# Altium PCB Copy of RaspberryHatBoard1.PcbDoc (part 1 of 3) (continued)
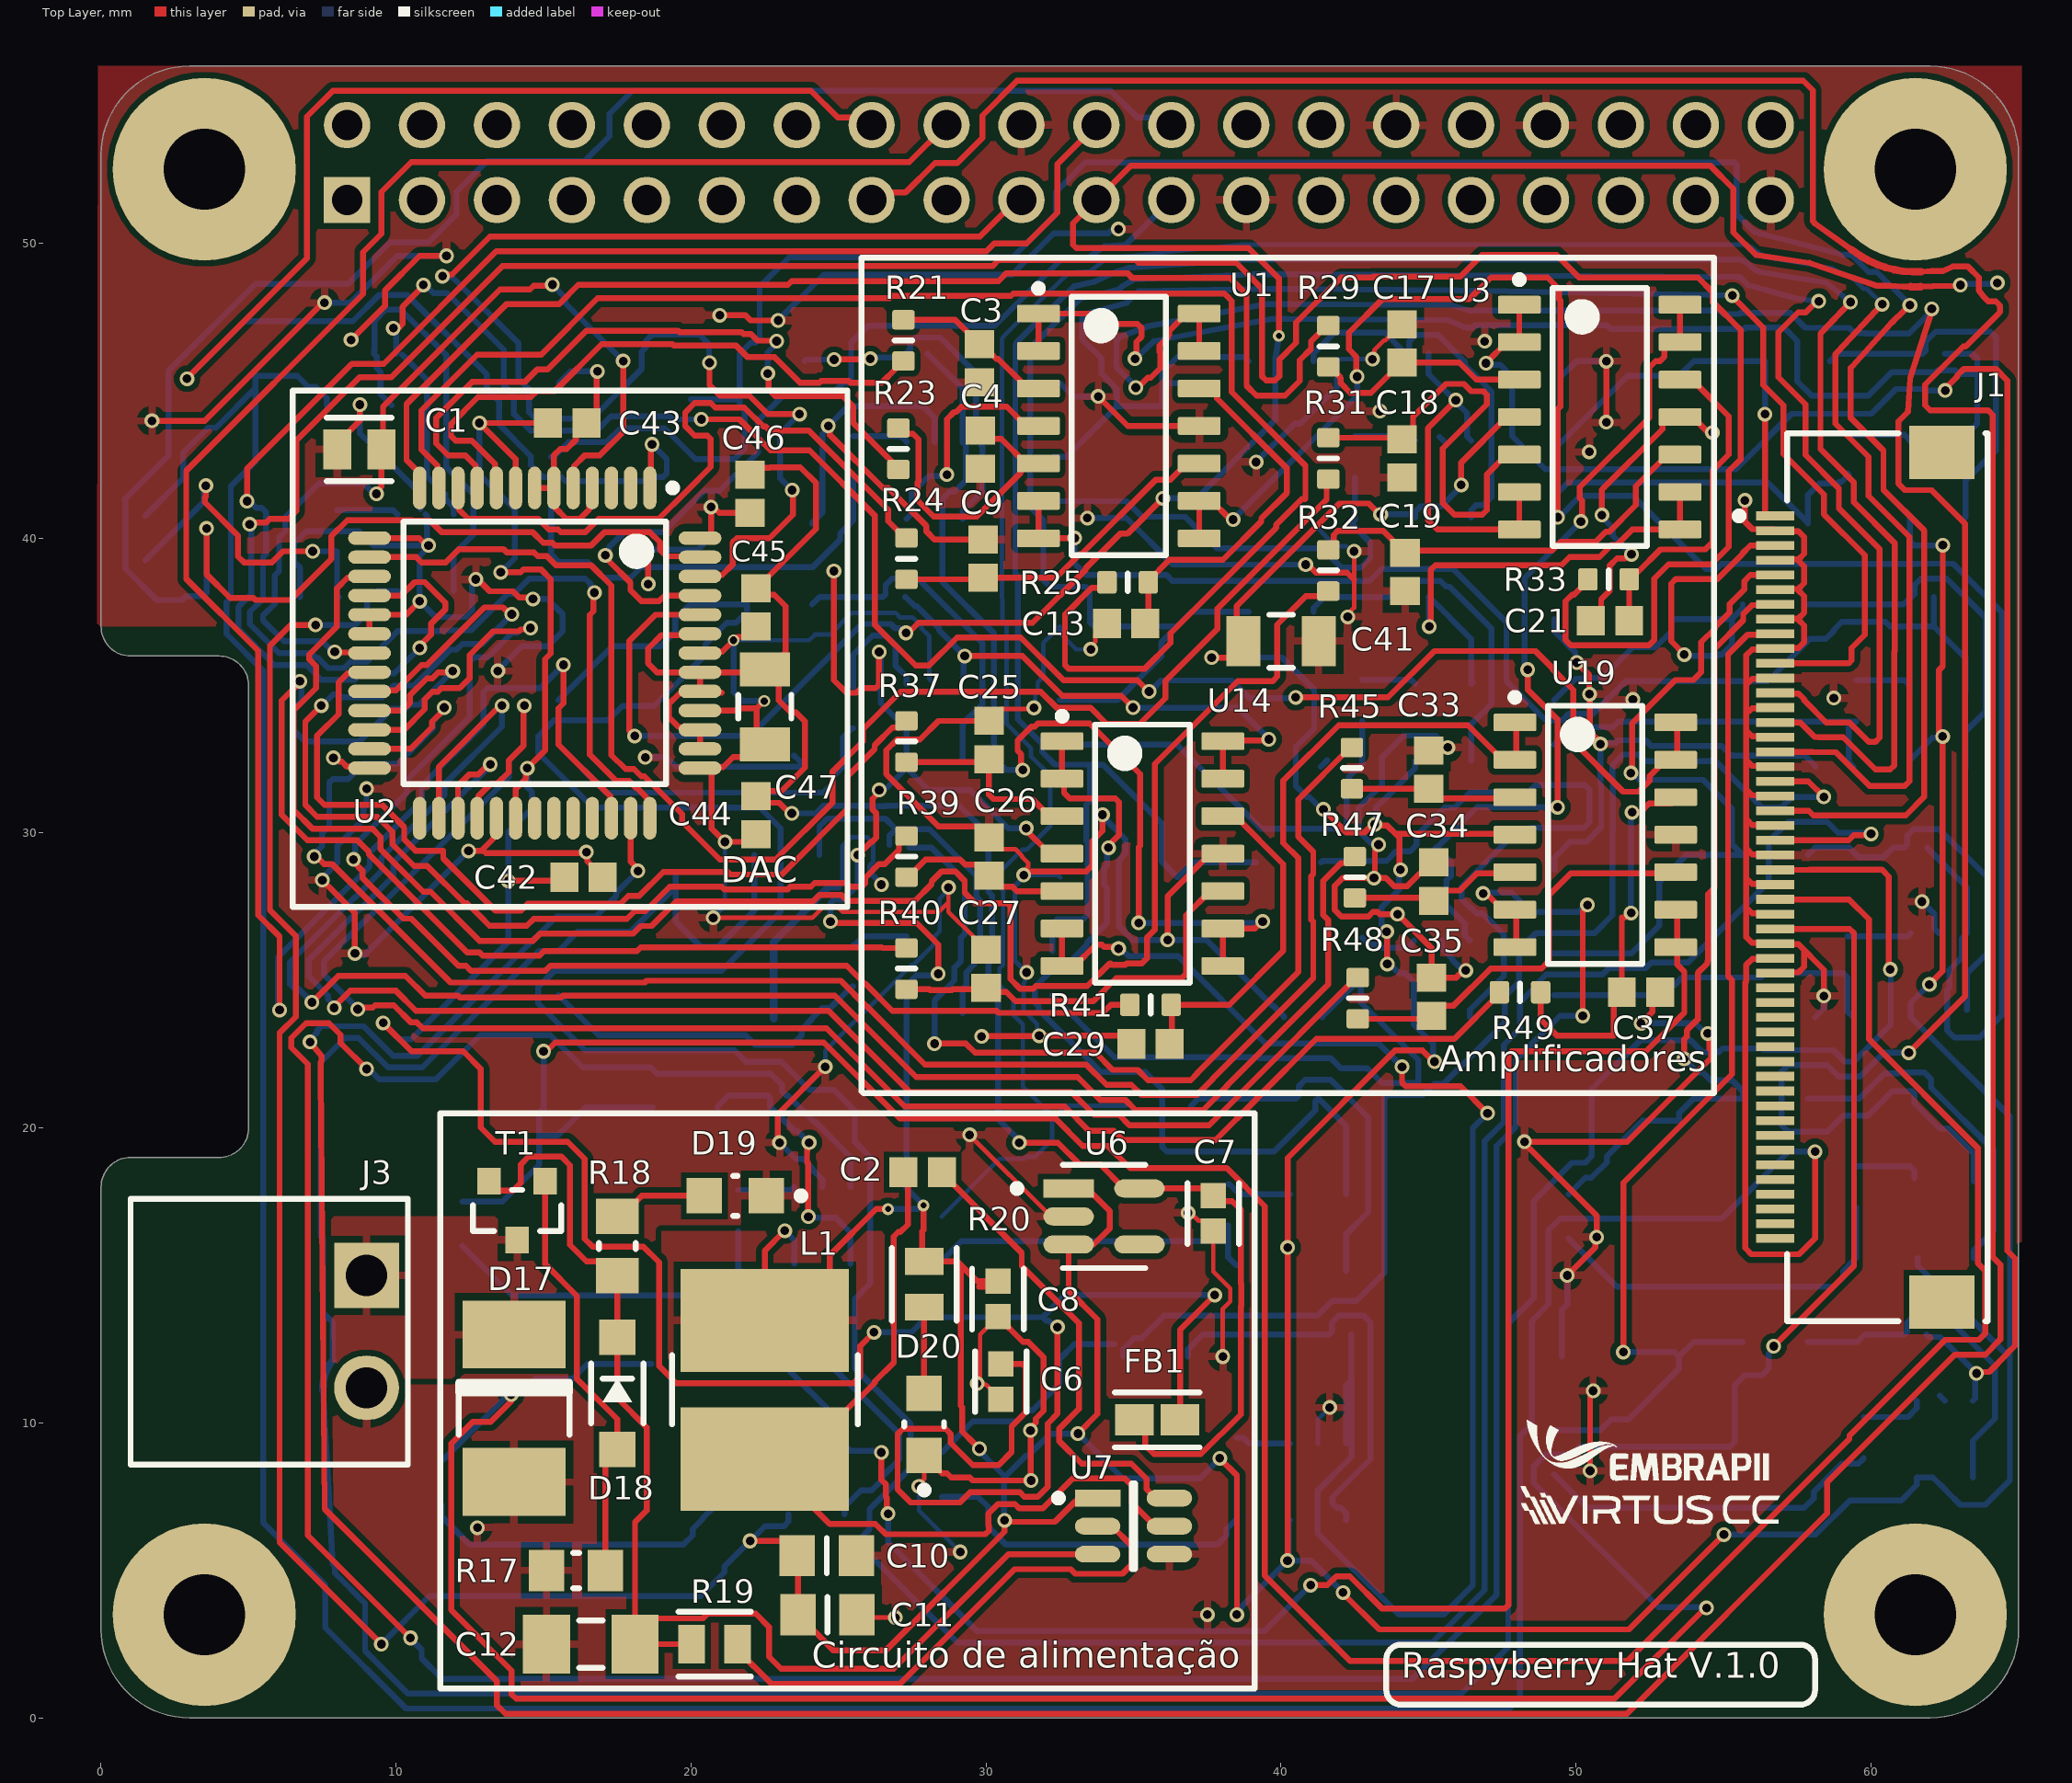
[diagram p0: Top Layer view]
## Components (designator, comment, footprint, x,y, rotation, side; value= is the part's Value field where it differs from the comment) (continued)
R18 "RC0805FR-071KL" RESC2013X60X35ML10T20 17.5,16 r270 top
R19 "100k" FP-CRGCQ0805-IPC_C 20.8,2.5 r180 top value=100KΩ
R20 "470R" FP-CRGCQ0805-IPC_C 27.9,14.7 r90 top value=470Ω
R21 "Resistor 10k +/-1% 0603 100 mW" RESC0603(1608)_L 27.2,46.7 r270 top value=10k
R22 "Resistor 1k +/-1% 0603 100 mW" RESC0603(1608)_L 59.25,42.8 r90 bottom value=1k
R23 "Resistor 10k +/-1% 0603 100 mW" RESC0603(1608)_L 27.025,43.025 r90 top value=10k
R24 "Resistor 10k +/-1% 0603 100 mW" RESC0603(1608)_L 27.3,39.3 r270 top value=10k
R25 "Resistor 10k +/-1% 0603 100 mW" RESC0603(1608)_L 34.8,38.5 r0 top value=10k
R26 "Resistor 1k +/-1% 0603 100 mW" RESC0603(1608)_L 59.5,34.48 r270 bottom value=1k
R27 "Resistor 1k +/-1% 0603 100 mW" RESC0603(1608)_L 59.2,25.8 r270 bottom value=1k
R28 "Resistor 1k +/-1% 0603 100 mW" RESC0603(1608)_L 59.5,18 r270 bottom value=1k
R29 "Resistor 10k +/-1% 0603 100 mW" RESC0603(1608)_L 41.6,46.5 r270 top value=10k
R30 "Resistor 1k +/-1% 0603 100 mW" RESC0603(1608)_L 59.75,9.5 r90 bottom value=1k
R31 "Resistor 10k +/-1% 0603 100 mW" RESC0603(1608)_L 41.6,42.7 r90 top value=10k
R32 "Resistor 10k +/-1% 0603 100 mW" RESC0603(1608)_L 41.6,38.9 r90 top value=10k
R33 "Resistor 10k +/-1% 0603 100 mW" RESC0603(1608)_L 51.1,38.6 r0 top value=10k
R34 "Resistor 1k +/-1% 0603 100 mW" RESC0603(1608)_L 42.5,42.75 r90 bottom value=1k
R35 "Resistor 1k +/-1% 0603 100 mW" RESC0603(1608)_L 42.75,34.5 r90 bottom value=1k
R36 "Resistor 1k +/-1% 0603 100 mW" RESC0603(1608)_L 42.75,25.75 r90 bottom value=1k
R37 "Resistor 10k +/-1% 0603 100 mW" RESC0603(1608)_L 27.3,33.1 r270 top value=10k
R38 "Resistor 1k +/-1% 0603 100 mW" RESC0603(1608)_L 38.2,17.4 r90 bottom value=1k
R39 "Resistor 10k +/-1% 0603 100 mW" RESC0603(1608)_L 27.3,29.2 r270 top value=10k
R40 "Resistor 10k +/-1% 0603 100 mW" RESC0603(1608)_L 27.3,25.4 r270 top value=10k
R41 "Resistor 10k +/-1% 0603 100 mW" RESC0603(1608)_L 35.575,24.175 r0 top value=10k
R42 "Resistor 1k +/-1% 0603 100 mW" RESC0603(1608)_L 38.5,8.8 r90 bottom value=1k
R43 "Resistor 1k +/-1% 0603 100 mW" RESC0603(1608)_L 25.5,42.75 r90 bottom value=1k
R44 "Resistor 1k +/-1% 0603 100 mW" RESC0603(1608)_L 25.5,34.25 r90 bottom value=1k
R45 "Resistor 10k +/-1% 0603 100 mW" RESC0603(1608)_L 42.4,32.2 r270 top value=10k
R46 "Resistor 1k +/-1% 0603 100 mW" RESC0603(1608)_L 25.5,25.5 r90 bottom value=1k
R47 "Resistor 10k +/-1% 0603 100 mW" RESC0603(1608)_L 42.5,28.5 r270 top value=10k
R48 "Resistor 10k +/-1% 0603 100 mW" RESC0603(1608)_L 42.6,24.4 r270 top value=10k
R49 "Resistor 10k +/-1% 0603 100 mW" RESC0603(1608)_L 48.1,24.6 r0 top value=10k
R50 "Resistor 1k +/-1% 0603 100 mW" RESC0603(1608)_L 21.6,17.2 r90 bottom value=1k
R51 "Resistor 1k +/-1% 0603 100 mW" RESC0603(1608)_L 21.701,8.405 r90 bottom value=1k
R52 "Resistor 1k +/-1% 0603 100 mW" RESC0603(1608)_L 8,40.25 r90 bottom value=1k
T1 "DMP4065S-7" FP-SOT23-MFG 14.1,17.2 r270 top
U1 "TLV2464CDR" D0014A_N 34.5,43.8 r0 top
U2 "AD5391BSTZ-3" ST-52_L 14.7,36.1 r270 top
U3 "TLV2464CDR" D0014A_N 50.8,44.1 r0 top
U4 "INA180A2IDBVR" FP-DBV0005A-MFG 62.5,9.45 r270 bottom
U5 "INA180A2IDBVR" FP-DBV0005A-MFG 45.5,42 r270 bottom
U6 "AP2112K-3.3TRG1" FP-SOT25-IPC_A 34,17 r0 top
U7 "AP63205WU-7" TSOT-23-6_A 35,6.5 r0 top
U8 "INA180A2IDBVR" FP-DBV0005A-MFG 62.25,42 r270 bottom
U9 "INA180A2IDBVR" FP-DBV0005A-MFG 62.25,33.5 r270 bottom
U10 "INA180A2IDBVR" FP-DBV0005A-MFG 62.3,25.3 r270 bottom
U11 "INA180A2IDBVR" FP-DBV0005A-MFG 62.527,16.891 r270 bottom
U12 "INA180A2IDBVR" FP-DBV0005A-MFG 45.5,33.75 r270 bottom
U13 "INA180A2IDBVR" FP-DBV0005A-MFG 45.45,25.05 r270 bottom
U14 "TLV2464CDR" D0014A_N 35.3,29.3 r0 top
U15 "INA180A2IDBVR" FP-DBV0005A-MFG 41.25,16.45 r270 bottom
U16 "INA180A2IDBVR" FP-DBV0005A-MFG 41.25,8 r270 bottom
U17 "INA180A2IDBVR" FP-DBV0005A-MFG 28.25,41.95 r270 bottom
U18 "INA180A2IDBVR" FP-DBV0005A-MFG 28.25,33.75 r270 bottom
U19 "TLV2464CDR" D0014A_N 50.65,29.94 r0 top
U20 "INA180A2IDBVR" FP-DBV0005A-MFG 28.25,25.2 r270 bottom
U21 "INA180A2IDBVR" FP-DBV0005A-MFG 24.45,16.7 r270 bottom
U22 "INA180A2IDBVR" FP-DBV0005A-MFG 24.25,8.2 r270 bottom
U23 "INA180A2IDBVR" FP-DBV0005A-MFG 11,39.5 r270 bottom

## Footprints (in the part's own frame and the unit in brackets; to place one, negate y for a bottom-side part, rotate by r counter-clockwise, add the part's x,y. Pads: shape width x height; smd on the part's side, far side on the other; paste and mask are expansions set on the pad)
5444262 [mm]
  rect 2.2x2.2 hole 1.4: 1(0,0)
  round 2.2 hole 1.4: 2(3.81,0)
  silkscreen extent -2.6,-8 6.41,1.4, body extent -2.6,-7.95 6.41,1.35, height 7.25
5447861 [mm]
  body extent 0,0 8.41,16.1, height 7.7
BOUR-SMA-2_V [mm] "SMA, 2-Leads, Body 4.57x2.92mm"
  rect 1.27x2.1 smd: 1(-1.985,0) 2(1.985,0)
  silkscreen extent -2.3,-1.5 3.12,1.5, body extent -2.5,-1.46 2.5,1.46, height 2.62
C-0805 [mm]
  rect 1.2x1.4 smd: 1(-1,0) 2(1,0)
  silkscreen extent 0,-0.6 0,0.6, body extent -1,-0.63 1,0.63, height 0.81
C-1206 [mm]
  rect 1.6x2 smd: 1(-1.5,0) 2(1.5,0)
  silkscreen extent -0.4,-0.8 0.4,0.8, body extent -1.6,-0.8 1.6,0.8, height 1.16
CAPC1608X95X40NL15T15 [mm] "Chip Capacitor, 2-Leads, Body 1.60x0.80mm, IPC Medium Density"
  rect 0.95x1 smd: 1(-0.65,0) 2(0.65,0)
  body extent -0.88,-0.48 0.87,0.47, height 0.95
D0014A_N [mm] "SOIC, 14-Leads, Body 8.75x4mm, Pitch 1.27mm, IPC Medium Density"
  rrect17% 1.45x0.6 smd: 1(-2.725,3.81) 2(-2.725,2.54) 3(-2.725,1.27) 4(-2.725,0) 5(-2.725,-1.27) 6(-2.725,-2.54) 7(-2.725,-3.81) 8(2.725,-3.81) 9(2.725,-2.54) 10(2.725,-1.27) 11(2.725,0) 12(2.725,1.27) 13(2.725,2.54) 14(2.725,3.81)
  silkscreen extent -2.85,-4.38 1.6,4.78, body extent -3.02,-4.32 3.02,4.32, height 1.59
DO-214AA [mm]
  rect 2.3x3.5 smd mask+0.1: 1(-2.5,0) 2(2.5,0)
  silkscreen extent -0.9,-2 0.9,2, body extent -2.79,-1.97 2.79,1.98, height 2.65
FP-BLM18-0_15-t0_8-IPC_A [mm]
  rect 1.306x1.058 smd paste+0 mask+0: 1(-0.776,0) 2(0.776,0)
  silkscreen extent -1.43,-0.93 1.43,0.93, body extent -1.93,-1.03 1.93,1.03, height 0.25
FP-C0805C-DN-MFG [mm]
  rect 0.95x1.35 smd paste+0 mask+0: 1(-0.75,0) 2(0.75,0)
  silkscreen extent -1.1,-1.07 1.1,1.07, body extent -1,-0.63 1,0.63, height 0.88
FP-CRGCQ0805-IPC_C [mm]
  rect 0.906x1.31 smd paste+0 mask+0: 1(-0.776,0) 2(0.776,0)
  silkscreen extent -1.23,-1.1 1.23,1.1, body extent -1.33,-0.8 1.33,0.8, height 0.25
FP-DBV0005A-MFG [mm]
  rrect17% 1.1x0.6 smd paste+0 mask+0: 1(-1.3,0.95) 2(-1.3,0) 3(-1.3,-0.95) 4(1.3,-0.95) 5(1.3,0.95)
  silkscreen extent -2.57,-1.53 0.87,1.53, body extent -1.4,-1.45 1.4,1.45, height 1.45
FP-DG6045C-MFG [mm]
  rect 3.5x5.7 smd: 1(-2.223,0) 2(2.477,0)
  silkscreen extent -1.05,-3.15 1.3,3.15, body extent -3.12,-3.25 3.38,3.25, height 0.25
FP-FH28-50S-0_5SH_05-MFG [mm]
  rect 0.3x1.3 smd paste-1000 mask+0: 1(-12.25,-3.8) 2(-11.75,-3.8) 3(-11.25,-3.8) 4(-10.75,-3.8) 5(-10.25,-3.8) 6(-9.75,-3.8) 7(-9.25,-3.8) 8(-8.75,-3.8) 9(-8.25,-3.8) 10(-7.75,-3.8) 11(-7.25,-3.8) 12(-6.75,-3.8) 13(-6.25,-3.8) 14(-5.75,-3.8) 15(-5.25,-3.8) 16(-4.75,-3.8) 17(-4.25,-3.8) 18(-3.75,-3.8) 19(-3.25,-3.8) 20(-2.75,-3.8) 21(-2.25,-3.8) 22(-1.75,-3.8) 23(-1.25,-3.8) 24(-0.75,-3.8) 25(-0.25,-3.8) 26(0.25,-3.8) 27(0.75,-3.8) 28(1.25,-3.8) 29(1.75,-3.8) 30(2.25,-3.8) 31(2.75,-3.8) 32(3.25,-3.8) 33(3.75,-3.8) 34(4.25,-3.8) 35(4.75,-3.8) 36(5.25,-3.8) 37(5.75,-3.8) 38(6.25,-3.8) 39(6.75,-3.8) 40(7.25,-3.8) 41(7.75,-3.8) 42(8.25,-3.8) 43(8.75,-3.8) 44(9.25,-3.8) 45(9.75,-3.8) 46(10.25,-3.8) 47(10.75,-3.8) 48(11.25,-3.8) 49(11.75,-3.8) 50(12.25,-3.8)
  rect 1.8x2.2 smd paste+0 mask+0: 51(-14.4,1.85) 52(14.4,1.85)
  silkscreen extent -15.05,-5.15 15.05,3.4, body extent -14.95,-3.15 14.95,3.25, height 5.6
FP-GRM31C-0_2-e0_3_0_8-IPC_C [mm]
  rect 1.155x1.706 smd paste+0 mask+0: 1(-1.276,0) 2(1.276,0)
  silkscreen extent -0.4,-0.9 0.4,0.9, body extent -1.6,-0.8 1.6,0.8, height 1.8
FP-GRM188-0_15-IPC_C [mm]
  rect 0.856x0.858 smd paste+0 mask+0: 1(-0.601,0) 2(0.601,0)
  silkscreen extent -1.03,-0.87 1.03,0.87
FP-LTST-C170GKT-MFG [mm]
  rect 1.2x1.2 smd paste+0 mask+0: 1(-1.05,0) 2(1.05,0)
  silkscreen extent -2.35,-0.67 0.08,0.67, body extent -1,-0.63 1,0.63, height 1.2
FP-MF-PSMF-MFG [mm]
  rect 1x1.5 smd paste+0 mask+0: 1(-1.1,0) 2(1.1,0)
  silkscreen extent -0.23,-0.75 0.23,0.75, body extent -1.07,-0.67 1.07,0.67, height 0.85
FP-PPPC202LFBN-RC-MFG [mm]
  rect 1.57x1.57 hole 1.02 paste-2539.97 mask+0: 1(-24.13,1.27)
  round 1.57 hole 1.02 paste-2539.97 mask+0: 2(-24.13,-1.27) 3(-21.59,1.27) 4(-21.59,-1.27) 5(-19.05,1.27) 6(-19.05,-1.27) 7(-16.51,1.27) 8(-16.51,-1.27) 9(-13.97,1.27) 10(-13.97,-1.27) 11(-11.43,1.27) 12(-11.43,-1.27) 13(-8.89,1.27) 14(-8.89,-1.27) 15(-6.35,1.27) 16(-6.35,-1.27) 17(-3.81,1.27) 18(-3.81,-1.27) 19(-1.27,1.27) 20(-1.27,-1.27) 21(1.27,1.27) 22(1.27,-1.27) 23(3.81,1.27) 24(3.81,-1.27) 25(6.35,1.27) 26(6.35,-1.27) 27(8.89,1.27) 28(8.89,-1.27) 29(11.43,1.27) 30(11.43,-1.27) 31(13.97,1.27) 32(13.97,-1.27) 33(16.51,1.27) 34(16.51,-1.27) 35(19.05,1.27) 36(19.05,-1.27) 37(21.59,1.27) 38(21.59,-1.27) 39(24.13,1.27) 40(24.13,-1.27)
  silkscreen extent -25.83,-2.64 25.83,3.24, body extent -25.65,-2.54 25.65,2.54, height 8.7
FP-SOT23-MFG [mm]
  rect 0.9x0.8 smd paste+0 mask+0: 1(-1,0.95) 2(-1,-0.95) 3(1,0)
  silkscreen extent -0.7,-1.5 0.7,1.5, body extent -1.55,-1.6 1.55,1.6, height 0.25
FP-SOT25-IPC_A [mm]
  rect 1.707x0.616 smd paste+0 mask+0: 1(-1.201,0.95)
  rrect100% 1.707x0.616 smd paste+0 mask+0: 2(-1.201,0) 3(-1.201,-0.95) 4(1.201,-0.95) 5(1.201,0.95)
  silkscreen extent -3.08,-1.75 1.4,1.75, body extent -2.55,-2 2.55,2, height 0.25
R-0805 [mm]
  rect 1.2x1.4 smd: 1(-1,0) 2(1,0)
  silkscreen extent -0.1,-0.6 0.1,0.6, body extent -1.05,-0.67 1.05,0.68, height 0.6
RESC0603(1608)_L [mm] "Chip Resistor, Body 1.6x0.8mm, IPC High Density"
  rrect25% 0.66x0.76 smd: 1(-0.7,0) 2(0.7,0)
  silkscreen extent 0,-0.3 0,0.3, body extent -0.8,-0.4 0.8,0.4, height 0.45
RESC1005X40X25LL10T10 [mm] "Chip Resistor, 2-Leads, Body 1.00x0.50mm, IPC High Density"
  rect 0.55x0.5 smd: 1(-0.375,0) 2(0.375,0)
  body extent -0.55,-0.3 0.55,0.3, height 0.4
RESC2013X60X35ML10T20 [mm] "Chip Resistor, 2-Leads, Body 2.1x1.35mm, IPC Low Density"
  rect 1.2x1.45 smd: 1(-1,0) 2(1,0)
  silkscreen extent -0.1,-0.63 0.1,0.63, body extent -1.05,-0.68 1.05,0.67, height 0.6
SOD-123 [mm] "On Semi recommended land pattern"
  rect 1.2x1.22 smd: 1(-1.905,0) 2(1.905,0)
  silkscreen extent -1.02,-0.89 1.02,0.89, body extent -1.93,-0.9 1.93,0.9, height 1.35
ST-52_L [mm] "Thin QFP, 52-Leads, Body 10 x 10mm, Pitch 0.65mm, IPC High Density"
  oval 1.45x0.45 smd: 1(-5.6,3.9) 2(-5.6,3.25) 3(-5.6,2.6) 4(-5.6,1.95) 5(-5.6,1.3) 6(-5.6,0.65) 7(-5.6,0) 8(-5.6,-0.65) 9(-5.6,-1.3) 10(-5.6,-1.95) 11(-5.6,-2.6) 12(-5.6,-3.25) 13(-5.6,-3.9) 27(5.6,-3.9) 28(5.6,-3.25) 29(5.6,-2.6) 30(5.6,-1.95) 31(5.6,-1.3) 32(5.6,-0.65) 33(5.6,0) 34(5.6,0.65) 35(5.6,1.3) 36(5.6,1.95) 37(5.6,2.6) 38(5.6,3.25) 39(5.6,3.9)
  oval 0.45x1.45 smd: 14(-3.9,-5.6) 15(-3.25,-5.6) 16(-2.6,-5.6) 17(-1.95,-5.6) 18(-1.3,-5.6) 19(-0.65,-5.6) 20(0,-5.6) 21(0.65,-5.6) 22(1.3,-5.6) 23(1.95,-5.6) 24(2.6,-5.6) 25(3.25,-5.6) 26(3.9,-5.6) 40(3.9,5.6) 41(3.25,5.6) 42(2.6,5.6) 43(1.95,5.6) 44(1.3,5.6) 45(0.65,5.6) 46(0,5.6) 47(-0.65,5.6) 48(-1.3,5.6) 49(-1.95,5.6) 50(-2.6,5.6) 51(-3.25,5.6) 52(-3.9,5.6)
  silkscreen extent -5.72,-4.45 4.45,4.8, body extent -5,-5 5,5, height 1.2
TP06R [mm] "Testpoint, round, d=0.6mm"
  round 0.6 smd paste-1: 1(0,0)
TSOT-23-6_A [mm]
  rect 1.54x0.566 smd paste+0 mask+0: 1(-1.216,0.95)
  rrect100% 1.54x0.566 smd paste+0 mask+0: 2(-1.216,0) 3(-1.216,-0.95) 4(1.216,-0.95) 5(1.216,0) 6(1.216,0.95)
  silkscreen extent -2.67,-1.45 0.05,1.45, body extent -2.49,-1.95 2.49,1.95, height 0.25

## Part data
C1: library part CMP-2007-00279-2, "CAP CER 0.1UF 50V X7R 0805", Capacitance="0.10 μF", Manufacturer=KEMET, Package=C0805C-DN, Temperature="-55°C to +125°C", Temperature Characteristic=X7R, Temperature Coefficient=30ppm/°C, Temperature Range High=+125°C, Temperature Range Low=-55°C, Tolerance=0.1, Voltage Rating="50 V", Automotive=No, Category=Cap, ComponentLink2Description=Datasheet, ComponentLink2URL=https://content.kemet.com/datasheets/KEM_C1003_C0G_SMD.pdf, Device Class L1="Passive Components", Device Class L2=Capacitors, Device Class L3="Ceramic Capacitors", Digikey Description="CAP CER 0.1UF 50V X7R 0805", Height=0.88mm, Ipc Land Pattern Name=CAPC200125X78, Lead Free=Yes, Manufacturer Part Number=C0805C104K5RACTU, Material=Ceramic, Mouser Description="Cap Ceramic 0.1uF 50V X7R 10% SMD 2.0 x 1.2 mm 125 C Paper T/R", Octopart=https://octopart.com/c0805c104k5ractu-kemet-143926, RoHS=TRUE
C2 C3 C4 C5 C9 C13 C14 C15 C16 C17 C18 C19 C20 C21 C22 C23 C24 C25 C26 C27 C28 C29 C30 C31 C32 C33 C34 C35 C36 C37 C38 C39 C40: library part CMP-2006-00058-1, Manufacturer=Vitramon, Part Number=VJ0603Y104MXJCW1BC
C6 C7 C8: library part CMP-06035-033844-1, "Chip Multilayer Ceramic Capacitors for General Purpose, 0603, 10uF, X5R, 15%, 20%, 10V", Capacitance=10uF, Dielectric=X5R, Tolerance=20%, Voltage Rating (DC)=10V, Length=1.6mm, Thickness=800um, Width=800um
C10 C11: "CAP CER 22UF 25V X5R 0805", Case/Package=0805, Dielectric=X5R, Manufacturer=Samsung, Max Operating Temperature=85°C, Min Operating Temperature=-55°C, Supplier Part Number=1276-CL21A226MAYNNNECT-ND, Supplier Part Number 1=187-CL21A226MAYNNNE, Tolerance=20%, Voltage Rating=25V, Category="Ceramic Capacitors", ComponentLink1Description=https://datasheet.octopart.com/CL21A226MAYNNNE-Samsung-Electro-Mechanics-datasheet-149154243.pdf?src-supplier=Future+Electronics, ComponentLink1URL=https://datasheet.octopart.com/CL21A226MAYNNNE-Samsung-Electro-Mechanics-datasheet-149154243.pdf?src-supplier=Future+Electronics, ComponentLink2Description=https://datasheet.octopart.com/CL21A226MAYNNNE-Samsung-datasheet-8326407.pdf?src-supplier=TME, ComponentLink2URL=https://datasheet.octopart.com/CL21A226MAYNNNE-Samsung-datasheet-8326407.pdf?src-supplier=TME, Height=1.45mm, Manufacturer Part Number=CL21A226MAYNNNE, Material=4241ConductorMaterial, Pricing="1=0,11, 10=0,066, 50=0,044, 100=0,043 (USD)", RoHS=Yes, RoHS Compliant=Yes, Stock=120266, Supplier=Digikey, Supplier 1=Mouser, Supplier 2=Digikey, Supplier Part Number 2=1276-CL21A226MAYNNNECT-ND, Voltage Rating (DC)=25V
C12: "CAP CER 10UF 50V X5R 1206", Case Code (Imperial)=1206, Case Code (Metric)=3216, Dielectric=X5R, Manufacturer=Samsung, Max Operating Temperature=85°C, Min Operating Temperature=-55°C, Package Quantity=1, Supplier Part Number=1276-2876-1-ND, Supplier Part Number 1=187-CL31A106KBHNNNE, Tolerance=10%, Voltage Rating=50V, Case/Package=1206, Category="Ceramic Capacitors", ComponentLink1Description=https://datasheet.ciiva.com/25726/cl31a106kbhnnne-25726404.pdf?src-supplier=Digikey, ComponentLink1URL=https://datasheet.ciiva.com/25726/cl31a106kbhnnne-25726404.pdf?src-supplier=Digikey, ComponentLink2Description=https://datasheet.ciiva.com/15216/getdatasheetpartid-353196-15216238.pdf?src-supplier=Verical, ComponentLink2URL=https://datasheet.ciiva.com/15216/getdatasheetpartid-353196-15216238.pdf?src-supplier=Verical, ComponentLink3Description=https://datasheet.ciiva.com/29201/452492-da-01-en-vs-kondensator-1206-29201107.pdf?src-supplier=Conrad, ComponentLink3URL=https://datasheet.ciiva.com/29201/452492-da-01-en-vs-kondensator-1206-29201107.pdf?src-supplier=Conrad, ComponentLink4Description=https://datasheet.ciiva.com/16437/cl05b104kq5nnnc-16437222.pdf?src-supplier=Future+Electronics, ComponentLink4URL=https://datasheet.ciiva.com/16437/cl05b104kq5nnnc-16437222.pdf?src-supplier=Future+Electronics, Construction=Flat, Depth=1.6mm, Height=1.6mm, Lead Free="Lead Free", Length=3.2mm, Manufacturer Part Number=CL31A106KBHNNNE, Material=Ceramic, Mounting Technology="Surface Mount", Packaging="Tape and Reel", Pricing="1=0,11, 10=0,07 (USD)", Radiation Hardening=No, RoHS=Yes, RoHS Compliant=Yes, Series=CL, Stock=133875, Supplier=Digikey, Supplier 1=Mouser, Supplier 2=Digikey, Supplier Part Number 2=1276-2876-2-ND, Thickness=0.071inch, Voltage Rating (DC)=50V, Width=0.063inch
C41 C47: library part CMP-2000-06344-2, "Chip Multilayer Ceramic Capacitors for General Purpose, 1206, 47uF, X5R, 15%, 20%, 6.3V", Capacitance=47uF, Case Code (Imperial)=1206, Case Code (Metric)=3216, Dielectric=X5R, Max Operating Temperature=85°C, Min Operating Temperature=-55°C, Package Quantity=2000, Tolerance=20%, Voltage=6.3V, Case/Package=1206, Depth=1.6mm, Height=1.6mm, Lead Free="Lead Free", Length=3.2mm, Material=Ceramic, Mount="Surface Mount", Packaging="Tape and Reel", Radiation Hardening=No, REACH SVHC="No SVHC", Termination=SMD/SMT, Thickness=0.071inch, Voltage Rating=6.3V, Voltage Rating (DC)=6.3V, Width=0.063inch
C42 C43 C44 C45 C46: library part CMP-2006-00058-1, "Multilayer Ceramic Capacitor, 0.1 uF, 16 V, ± 20%, X7R, 0603 [1608 Metric]", Manufacturer=Vitramon, Part Number=VJ0603Y104MXJCW1BC
CH1_I CH1_V CH2_I CH2_V CH3_I CH3_V CH4_I CH4_V CH5_I CH5_V CH6_I CH6_V CH7_I CH7_V CH8_I CH8_V CH9_I CH9_V CH10_I CH10_V CH11_I CH11_V CH12_I CH12_V CH13_I CH13_V CH14_I CH14_V CH15_I CH15_V CH16_I CH16_V: library part CMP-00028-00002-2, "0.6mm round", Component Type=Mechanical, Pins=1
D1 D2 D3 D4 D5 D6 D7 D8 D9 D10 D11 D12 D13 D14 D15 D16: library part CMP-2000-07090-1, "SMAJ Transient Voltage Suppressor Diode Series, 3.5 V, -55 to 150 degC, 2-Pin SMA, RoHS, Tape and Reel", Capacitance @ Frequency=-, Current - Peak Pulse (10/1000µs)=43.5A, Manufacturer=Bourns, Operating Temperature=-55°C~150°C(TJ), Package / Case=DO-214AC,SMA, Package Description="2-Pin Surface Mount Device, Body 4.315 x 2.605 mm", Package Reference=SMA-2, Power - Peak Pulse=400W, Power Line Protection=No, Standard Package=1, Supplier Device Package=SMA(DO-214AC), Voltage - Breakdown (Min)=6.4V, Voltage - Clamping (Max) @ Ipp=9.2V, Voltage - Reverse Standoff (Typ)=5V, Applications=GeneralPurpose, Bidirectional Channels=-, Catalog Drawings=SMAJSeriesFootprintSMAJ,SMBJSeries, Category=CircuitProtection, Datasheet URL=https://datasheet.ciiva.com/25624/0900766b8112213b-25624680.pdf, Datasheet Version=08/2012, EDA / CAD Models=DownloadfromAcceleratedDesigns, Family=TVS-Diodes, Featured Product=SMAJ/SMBJ/SMCJ/SMLJDiscreteTVSDiodes, Manufacturer URL=http://www.bourns.com/, Mounting Technology=SurfaceMount, Mounting Type=SurfaceMount, Online Catalog=SMAJSeries, Other Names=SMAJ5.0ABDKR, Packaging=Digi-Reel®, RoHS Information=SMAJSeriesMaterialDeclaration, Series=SMAJ, Type=Zener, Unidirectional Channels=1
D17: "TVS DIODE 28VWM 45.4VC SMB", Case/Package=SMB, Clamping Voltage=45.4V, Manufacturer=Diodes, Max Operating Temperature=150°C, Min Breakdown Voltage=31.1V, Min Operating Temperature=-55°C, Peak Pulse Current=13.2A, Peak Pulse Power=600W, Power Line Protection=No, Resistor Type=Zener, Reverse Standoff Voltage=28V, Supplier Part Number 1=SMBJ28CAQ-13-FDICT-ND, Category="TVS Diodes", ComponentLink1Description=https://www.diodes.com/assets/Datasheets/ds40740.pdf?src-supplier=Digi-Key, ComponentLink1URL=https://www.diodes.com/assets/Datasheets/ds40740.pdf?src-supplier=Digi-Key, Manufacturer Part Number=SMBJ28CAQ-13-F, Mount="Surface Mount", Number of Bidirectional Channels=1, Packaging="Tape and Reel", Pricing 1="1=0,44000, 10=0,37900, 100=0,28310, 500=0,22240, 1000=0,17185 (USD)", RoHS=Yes, RoHS Compliant=Yes, Stock 1=16278, Supplier 1=Digi-Key, Supplier 2=Mouser, Supplier Part Number 2=621-SMBJ28CAQ-13-F
D18: "DIODE ZENER 15V 500MW SOD123", Manufacturer=MCC, Max Operating Temperature=150°C, Max Power Dissipation=500mW, Max Reverse Leakage Current=100nA, Min Operating Temperature=-55°C, Package Quantity=1, Supplier Part Number 1=MMSZ5245B-TPMSCT-ND, Test Current=8.5mA, Tolerance=5%, Zener Voltage=15V, Category="Zener Diodes", ComponentLink1Description=https://datasheet.ciiva.com/890/mmsz5221-mmsz5259sod123-890445.pdf?src-supplier=Digi-Key, ComponentLink1URL=https://datasheet.ciiva.com/890/mmsz5221-mmsz5259sod123-890445.pdf?src-supplier=Digi-Key, ComponentLink2Description=https://datasheet.ciiva.com/890/mmsz5221-mmsz5259sod123-890446.pdf?src-supplier=Digi-Key, ComponentLink2URL=https://datasheet.ciiva.com/890/mmsz5221-mmsz5259sod123-890446.pdf?src-supplier=Digi-Key, ComponentLink3Description=https://datasheet.ciiva.com/890/mmsz5221-mmsz5259sod123-890447.pdf?src-supplier=Digi-Key, ComponentLink3URL=https://datasheet.ciiva.com/890/mmsz5221-mmsz5259sod123-890447.pdf?src-supplier=Digi-Key, Element Configuration=Single, Impedance=16R, Lead Free="Lead Free", Manufacturer Part Number=MMSZ5245B-TP, Mount="Surface Mount", Number of Pins=2, Packaging="Tape and Reel", Power Dissipation=500mW, Pricing 1="1=0,22000, 10=0,17700, 100=0,09400, 500=0,06188, 1000=0,04208 (USD)", RoHS=Yes, Series=-, Stock 1=330368, Supplier 1=Digi-Key, Supplier 2=Mouser, Supplier 3="Arrow Electronics", Supplier Part Number 2=833-MMSZ5245B-TP, Supplier Part Number 3=MMSZ5245B-TP, Voltage Tolerance=5%
D19 D20: library part CMP-1674-00002-6, "LED GREEN CLEAR SMD", Case Code (Imperial)=0805, Case Code (Metric)=2012, Color=Green, Forward Current=30mA, Forward Voltage=2.1V, Lens Color=Colorless, Max Operating Temperature=85°C, Min Operating Temperature=-55°C, Package Quantity=1, Power Dissipation=100mW, Reverse Voltage=5V, Test Current=10mA, Case/Package=0805, Depth=1.25mm, Dominant Wavelength=569nm, Height=1.1mm, Illumination Color=Green, Lead Free="Lead Free", Length=2mm, Lens Style=Diffused, Lens Transparency=Clear, Luminous Intensity=6mcd, Mount="Surface Mount", Number of Elements=1, Number of LEDs=1, Number of Pins=2, Packaging="Tape and Reel", Power Rating=100mW, Radiation Hardening=No, Viewing Angle=130°, Voltage=5V, Wavelength=565nm, Width=1.25mm
F1 F2 F3 F4 F5 F6 F7 F8 F9 F10 F11 F12 F13 F14 F15 F16: library part CMP-07400-000017-1, "PTC RESET FUSE 15V 100MA 0805", Ambient Temperature Range High=+85°C, Ambient Temperature Range Low=-40°C, Current Rating=40A, Hold Current=0.1A, Manufacturer="Bourns Inc.", Package=MF-PSMF, Resistance=1-7.5Ω, Temperature="-40°C to +85°C", Trip Current=0.3A, Voltage Rating=15V, Automotive=No, Category=Fuse, ComponentLink2Description=Datasheet, ComponentLink2URL=https://www.bourns.com/docs/Product-Datasheets/mfpsmf.pdf, Device Class L1="Circuit Protection", Device Class L2="PTC Resettable Fuses", Device Class L3=unset, Digikey Description="PTC RESET FUSE 15V 100MA 0805", Height=0.85mm, Ipc Land Pattern Name=CAPC215135X67, Lead Free=Yes, Manufacturer Part Number=MF-PSMF010X-2, Mouser Description="Resettable Fuses - PPTC 0.10A 15V 1ohm", Octopart=https://octopart.com/mf-psmf010x-2-bourns-7483441, RoHS=TRUE, Temperature Range High=+85°C, Temperature Range Low=-40°C, Trip Time=1.5s
FB1: library part CMP-0686-00581-3, "Chip Ferrite Bead, 0603, 600Ω @ 100MHz, 0.15Ω, 25%, 1.3A", Case Code (Imperial)=0603, Case Code (Metric)=1608, Current Rating=1.3A, DC Resistance (DCR)=150mR, Inductor Type="FERRITE BEAD", Max Operating Temperature=125°C, Min Operating Temperature=-55°C, Package Quantity=1, Test Frequency=100MHz, Tolerance=25%, Case/Package=0603, Core Material=Ferrite, DC Current=1.3A, Depth=0.8mm, Height=0.8mm, Impedance=600R, Lead Free="Lead Free", Length=1.6mm, Material=Steel, Max Current Rating=1.3A, Max DC Current=1.3A, Military Standard=Not, Number of Circuits=1, Number of Lines=1, Number of Pins=2, Packaging="Tape and Reel", Radiation Hardening=No, REACH SVHC="No SVHC", RoHS Compliant=Yes, Series=BLM18K, Termination=SMD/SMT, Weight=7.1E-05oz, Width=0.8mm
J1: library part CMP-11609-000009-1, "CONN FFC BOTTOM 50POS 0.50MM R/A", Current Rating=0.5A, Manufacturer="Hirose Electric Co Ltd", Package=0, Temperature="-40°C to +105°C", Temperature Range High=+105°C, Temperature Range Low=-40°C, Voltage Rating=50V, Automotive=No, Category=Conn, ComponentLink2Description=Datasheet, ComponentLink2URL=http://www.hirose.co.jp/cataloge_hp/e58618038.pdf, Conn Gender=Female, Conn Orientation=Horizontal, Contact Material=Gold, Device Class L1=Connectors, Device Class L2="FFC / FPC", Device Class L3=unset, Digikey Description="CONN FFC BOTTOM 50POS 0.50MM R/A", Height=5.6mm, Is Female=yes, Lead Free=Yes, Manufacturer Part Number=FH28-50S-0.5SH(05), Mouser Description="FFC & FPC Connectors 50POS 0.5MM SMT GOLD", Number of Contacts=50, Octopart=https://octopart.com/fh28-50s-0.5sh%2805%29-hirose-240232, Pitch=0.5mm, RoHS=TRUE
J2: "TERM BLOCK PLUG 2POS STR 3.81MM", Color=Green, Current=8A, Flammability Rating="UL94 V-0", Manufacturer="Phoenix Contact", Package Quantity=100, Supplier Part Number 1=277-11343-ND, Voltage=300V, Voltage Rating=160V, Category="Terminal Blocks", ComponentLink1Description=https://datasheet.ciiva.com/29706/5447861-29706032.pdf?src-supplier=Digi-Key, ComponentLink1URL=https://datasheet.ciiva.com/29706/5447861-29706032.pdf?src-supplier=Digi-Key, Connector Type=Screw, Contact Plating=Tin, Current Rating=8A, Housing Material=Polyamide, Manufacturer Part Number=5447861, Mount="Free Hanging", Number of Levels=1, Number of Pins=2, Number of Positions=2, Number of Positions Per Level=2, Packaging=Bulk, Pitch=0.15inch, Pricing 1="1=2,56000, 10=2,45300, 50=2,38620, 100=2,23000, 250=2,05160, 500=1,89550, 1000=1,80631, 2500=1,77954 (USD)", RoHS=Yes, Stock 1=30203, Supplier 1=Digi-Key, Supplier 2=Mouser, Supplier Part Number 2=651-5447861, Termination=Screw, Wire Gauge (Max)=30AWG, Wire Gauge (Min)=14AWG
J3: "TERM BLOCK HDR 2POS 90DEG 3.81MM", Color=Green, Current=8A, Flammability Rating="UL94 V-0", Manufacturer="Phoenix Contact", Package Quantity=100, Supplier Part Number 1=277-11313-ND, Voltage=300V, Voltage Rating=160V, Category="Terminal Blocks", ComponentLink1Description=https://datasheet.ciiva.com/29682/5444262-29682658.pdf?src-supplier=Digi-Key, ComponentLink1URL=https://datasheet.ciiva.com/29682/5444262-29682658.pdf?src-supplier=Digi-Key, Contact Plating=Tin, Current Rating=8A, Housing Material=Polyamide, Length=9.2mm, Manufacturer Part Number=5444262, Mount="Through Hole", Number of Levels=1, Number of Positions=2, Number of Positions Per Level=2, Packaging=Bulk, Pitch=0.15inch, Pricing 1="1=0,87000, 10=0,83600, 50=0,81320, 100=0,76000, 250=0,69920, 500=0,64600, 1000=0,61560, 2500=0,60648 (USD)", RoHS=Yes, RoHS Compliant=Yes, Stock 1=66186, Supplier 1=Digi-Key, Supplier 2=Mouser, Supplier Part Number 2=651-5444262, Termination=Solder
L1: "FIXED IND 4.7UH 4A 23 MOHM SMD", Case/Package=Nonstandard, Current Rating=4.5A, DC Resistance (DCR)=27.6mR, Inductance Tolerance=20%, Manufacturer=Murata, Manufacturer Part Number=1255AY-4R7M=P3, Max Operating Temperature=85°C, Min Operating Temperature=-40°C, RMS Current (Irms)=4A, Supplier Part Number=490-10812-1-ND, Test Frequency=100kHz, Category="Fixed Inductors", ComponentLink1Description=http://search.murata.co.jp/Ceramy/image/img/P02/J(E)TE243B-0037_DG6045C_reference.pdf?src-supplier=Digikey, ComponentLink1URL=http://search.murata.co.jp/Ceramy/image/img/P02/J(E)TE243B-0037_DG6045C_reference.pdf?src-supplier=Digikey, ComponentLink2Description=http://www.toko.co.jp/products/pdf/inductors/dg6045c.pdf?src-supplier=Digikey, ComponentLink2URL=http://www.toko.co.jp/products/pdf/inductors/dg6045c.pdf?src-supplier=Digikey, ComponentLink3Description=http://www.toko.co.jp/products/pdf/inductors/dg6045c.pdf?src-supplier=Avnet, ComponentLink3URL=http://www.toko.co.jp/products/pdf/inductors/dg6045c.pdf?src-supplier=Avnet, Core Material=Ferrite, ESR=27.6mR, Height=4.5mm, Height - Seated (Max)=0.177inch, Length=0.248inch, Mounting Technology="Surface Mount", Packaging="Cut Tape", Pricing="1=0,38, 10=0,314, 100=0,2584 (USD)", RoHS=Yes, RoHS Compliant=Yes, Saturation Current=4.5A, Series=DG6045C, Shielding=Shielded, Stock=84053, Supplier=Digikey, Tolerance=20%, Width=0.248inch
P1: library part CMP-1502-01370-4, "THT Vertical Socket Header WR-PHD, Pitch 2.54 mm, Dual Row, 40 pins", Contact Resistance=20mΩ, Current Rating=3A, Operating Supply Voltage=250V, Gender=Female, Lead Pitch=2.54mm, Number of Pins=40, Orientation=Vertical
R1 R2 R3 R4 R5 R6 R7 R8 R9 R10 R11 R12 R13 R14 R15 R16: library part CMP-2002-04124-1, Manufacturer="KOA Speer", Part Number=SG73S1ETTP1R0J
R17: "RES 1M OHM 1% 1/8W 0805", Case Code (Imperial)=0805, Case Code (Metric)=2012, Case/Package=Molded, Manufacturer=Yageo, Max Operating Temperature=155°C, Min Operating Temperature=-55°C, Power Rating=125mW, Resistance Tolerance=1%, Resistor Type="Thick Film", Supplier Part Number=311-1.00MCRCT-ND, Temperature Coefficient=250ppm/°C, Voltage Rating=150V, Category="Chip SMD Resistors", ComponentLink1Description=https://datasheet.ciiva.com/17419/rc0805-17419909.pdf?src-supplier=Future+Electronics, ComponentLink1URL=https://datasheet.ciiva.com/17419/rc0805-17419909.pdf?src-supplier=Future+Electronics, Construction=Rectangular, Depth=1.25mm, Lead Free="Lead Free", Length=2mm, Manufacturer Part Number=RC0805FR-071ML, Military Standard=Not, Packaging="Tape and Reel", Pricing="1=0,1, 10=0,026, 50=0,0162, 100=0,0134, 500=0,00906, 1000=0,00778 (USD)", Reach SVHC Compliant=Unknown, RoHS=Yes, RoHS Compliant=Yes, Stock=145027, Supplier=Digikey, Supplier 1=Digikey, Supplier 2=Mouser, Supplier Part Number 1=311-1.00MCRCT-ND, Supplier Part Number 2=603-RC0805FR-071ML, Tolerance=1%, Voltage Rating (AC)=150V
R18: library part CMP-2100-03671-1, "Chip Resistor, 1 KOhm, +/- 1%, 125 mW, -55 to 155 degC, 0805 (2012 Metric), RoHS, Tape and Reel", Case Code (Imperial)=0805, Case Code (Metric)=2012, Manufacturer=Yageo, Max Operating Temperature=155degC, Max Power Dissipation=125mW, Min Operating Temperature=-55degC, Package Description="2-Pin Surface Mounted Device, Body 2 x 1.25 mm", Package Quantity=1, Resistance=1KOhm, Temperature Coefficient=100ppm/degreesC, Tolerance=1%, Voltage Rating=150V, Case/Package=0805, Composition=ThickFilm, Datasheet URL=http://www.yageo.com/NewPortal/yageodocoutput?fileName=/pdf/R-Chip/PYu-RC_Group_51_RoHS_L_5.pdf, Datasheet Version="Rev. 5, 10/2016", Depth=1.25mm, Height=0.024inch, Lead Free=LeadFree, Length=0.079inch, Manufacturer URL=http://www.yageo.com/, Military Standard=Not, Number of Pins=2, Number of Terminations=2, Package Reference=0805, Packaging=TapeandReel, Power Rating=125mW, REACH SVHC=Unknown, RoHSCompliant=true, Termination=SMD/SMT, Voltage Rating (DC)=150V, Width=0.049inch
R19: library part CMP-03211-000816-1, "CRGCQ 0805 100K 1%", Ambient Temperature Range High=+70°C, Manufacturer="TE Connectivity", Manufacturer Part Number=CRGCQ0805F100K, Package=CRGCQ0805, Power Rating=0.125W, Resistance=100KΩ, Temperature="-55°C to +155°C", Temperature Coefficient=±100ppm/°C, Temperature Range High=+155°C, Temperature Range Low=-55°C, Tolerance=0.01, Voltage Rating=150V, Automotive=Yes, Automotive Grade="Grade 1141", Category=Res, ComponentLink2Description=Datasheet, ComponentLink2URL=https://www.te.com/commerce/DocumentDelivery/DDEController?Action=showdoc&DocId=Data+Sheet%7F1773204-3%7F1%7Fpdf%7FEnglish%7FENG_DS_1773204-3_1.pdf%7F4-2176341-1150, Composition="Thick Film", Device Class L1="Passive Components", Device Class L2=Resistors, Device Class L3="Chip SMD Resistors", Digikey Description="CRGCQ 0805 100K 1%", Height=0.65mm, Ipc Land Pattern Name=RESC200125X55, Lead Free=Yes, Mouser Description="Res Thick Film 0805 100K Ohm 1% 0.125W(1/8W) ±100ppm/C Pad SMD Automotive T/R", Octopart=https://octopart.com/crgcq0805f100k-te+connectivity-91018138, RoHS=TRUE, Series=CRGCQ
R20: library part CMP-03211-002267-1, "CRGCQ0805 470Ω 0.125W ±100ppm/°C 5% 150V", Ambient Temperature Range High=+70°C, Manufacturer="TE Connectivity", Manufacturer Part Number=CRGCQ0805J470R, Package=CRGCQ0805, Power Rating=0.125W, Resistance=470Ω, Temperature="-55°C to +155°C", Temperature Coefficient=±100ppm/°C, Temperature Range High=+155°C, Temperature Range Low=-55°C, Tolerance=0.05, Voltage Rating=150V, Automotive=Yes, Automotive Grade="Grade 610", Category=Res, ComponentLink2Description=Datasheet, ComponentLink2URL=https://www.te.com/commerce/DocumentDelivery/DDEController?Action=showdoc&DocId=Data+Sheet%7F1773204-3%7F1%7Fpdf%7FEnglish%7FENG_DS_1773204-3_1.pdf%7F4-2176341-619, Composition="Thick Film", Device Class L1="Passive Components", Device Class L2=Resistors, Device Class L3="Chip SMD Resistors", Height=0.65mm, Ipc Land Pattern Name=RESC200125X55, Lead Free=Yes, Octopart=https://octopart.com/crgcq0805j470r-te+connectivity-91018229, RoHS=TRUE, Series=CRGCQ
R21 R23 R24 R25: library part CMP-009-00017-7, "Chip Resistor, 10 KOhm, +/- 1%, 01 W, -55 to 155 degC, 0603 (1608 Metric)", Case/Package=0603, Manufacturer=Yageo, Manufacturer Part Number=RC0603FR-0710KL, Max Operating Temperature=155°C, Min Operating Temperature=-55°C, Power=100mW, Tolerance=1%, Voltage Rating=50V, Component Type=Resistors, Mounting Technology=SM, Pins=2, RoHS Compliant=True
R22 R26 R27 R28: library part CMP-009-00014-6, "Chip Resistor, 1 KOhm, +/-1%, 0.1 W, -55 to 155 degC, 0603 (1608 Metric)", Case/Package=0603, Manufacturer=Yageo, Manufacturer Part Number=RC0603FR-071KL, Max Operating Temperature=155°C, Min Operating Temperature=-55°C, Power=100mW, Tolerance=1%, Voltage Rating=50V, Component Type=Resistors, Mounting Technology=SM, Pins=2, RoHS Compliant=True
R29 R31 R32 R33 R37 R39 R40 R41 R45 R47 R48 R49: library part CMP-009-00017-7, "Chip Resistor, 10 KOhm, +/- 1%, 01 W, -55 to 155 degC, 0603 (1608 Metric)", Case/Package=0603, Manufacturer=Vishay, Manufacturer Part Number=CRCW060310K0FKEA, Max Operating Temperature=155°C, Min Operating Temperature=-55°C, Power=100mW, Tolerance=1%, Voltage Rating=50V, Component Type=Resistors, Mounting Technology=SM, Pins=2, RoHS Compliant=True
R30 R34 R35 R36 R38 R42 R43 R44 R46 R50 R51 R52: library part CMP-009-00014-6, "Chip Resistor, 1 KOhm, +/-1%, 0.1 W, -55 to 155 degC, 0603 (1608 Metric)", Case/Package=0603, Manufacturer=Yageo, Manufacturer Part Number=RC0603FR-131KL, Max Operating Temperature=155°C, Min Operating Temperature=-55°C, Power=100mW, Tolerance=1%, Voltage Rating=50V, Component Type=Resistors, Mounting Technology=SM, Pins=2, RoHS Compliant=True
T1: library part CMP-12801-000050-1, "MOSFET P-CH 40V 2.4A SOT23", Continuous Drain Current=-2.4A, Drain to Source Breakdown Voltage=-40V, Drain to Source Resistance=64mΩ, Gate To Source Voltage=20V, Input Capacitace At Vds="587pF @ -20V", Manufacturer="Diodes Inc.", Max Forward Diode Voltage=-1.2V, Max Junction Temp=+150°C, Package=SOT23, Power Dissipation=0.72W, Pulse Drain Current=-20A, Temperature="-55°C to +150°C", Temperature Range Low=-55°C, Typ Forward Diode Voltage=-0.7V, Automotive=No, Category=Trans, ComponentLink2Description=Datasheet, ComponentLink2URL=https://www.diodes.com/assets/Datasheets/DMP4065S.pdf, Depletion Mode=False, Device Class L1="Discrete Semiconductors", Device Class L2=Transistors, Device Class L3=MOSFETs, Digikey Description="MOSFET P-CH 40V 2.4A SOT23", Drain To Source Voltage=-40V, Footprint Url=https://www.diodes.com/assets/Package-Files/SOT23.pdf, Gate Charge At Vgs="12.2nC @ -10V", Height=1.1mm, Ipc Land Pattern Name=SOT92P240X102-3, Lead Free=Yes, Manufacturer Part Number=DMP4065S-7, Mouser Description="Trans MOSFET P-CH 40V 2.4A Automotive 3-Pin SOT-23 T/R", Number of Channels=1, Number Of P Channels=1, Octopart=https://octopart.com/dmp4065s-7-diodes+inc.-57605044, RoHS=TRUE, Rthja Max=171°C/W, Standoff Height=0.013mm, Temperature Range High=+150°C, Threshold Vgs Max=-3V, Threshold Vgs Min=-1V, Turn Off Delay Time=36.3ns, Turn On Delay Time=3.6ns
U1 U3 U14 U19: library part CMP-0271-00006-3, "Quad Low Power, Rail-to-Rail Input / Output Operational Amplifier, 2.7 to 6 V, 0 to 70 degC, 14-pin SOIC (D14), Green (RoHS & no Sb/Br)", Manufacturer="Texas Instruments", Total Supply Voltage(Max)(+5V is 5, +/-5V is 10)=6, Total Supply Voltage(Min)(+5V is 5, +/-5V is 10)=2.7, CMRR(Min)(dB)=66, Code_JEDEC=MS-012, ComponentLink1Description="Manufacturer URL", ComponentLink1URL=http://www.ti.com/, ComponentLink2Description=Datasheet, ComponentLink2URL=http://www.ti.com/general/docs/lit/getliterature.tsp?genericPartNumber=TLV2464&fileType=pdf, ComponentLink3Description="Package Specification", ComponentLink3URL=http://www.ti.com/lit/ml/mpds177g/mpds177g.pdf, DatasheetVersion=SLOS220J, Eco-Plan="Green (RoHS & no Sb/Br)", IIB(Max)(pA)=14000, Iq per channel(Max)(mA)=0.575, Mounting Technology="Surface Mount", Number of Channels=4, Offset Drift(Typ)(uV/C)=2, PackageDescription="14-Pin Plastic Small Outline, Body 8.65 x 3.9 mm, Pitch 1.27 mm", PackageReference=D0014A, PackageVersion="4040047-5/M, 06/2011", PartNumber=TLV2464CDR, Slew Rate(Typ)(V/us)=1.6, Sub Family="High Output Current Amplifier (>=50mA), Low Supply Voltage Amplifier (<=2.7V), Precision Amplifier", Vio (25C)(Max)(mV)=2, Vn at 1kHz(Typ)(nV/rtHz)=11
U2: library part CMP-0318-00791-2, "16 Channel 12-Bit Single-Supply Voltage Output Digital-to-Analog Converter with Serial Interface, 3 V, -40 to +85 degC, ST-52, Pb-Free, Tray", Generic Part Number=AD5391, Manufacturer="Analog Devices", # DAC Outputs=16, Code_JEDEC=MS-026-BCC, ComponentLink1Description="Manufacturer URL", ComponentLink1URL=http://www.analog.com/en/index.html, ComponentLink2Description=Datasheet, ComponentLink2URL=http://www.analog.com/static/imported-files/data_sheets/AD5390_5391_5392.pdf, ComponentLink3Description="Package Specification", ComponentLink3URL=http://www.analog.com/static/imported-files/packages/61012411624300842189414155189544791816408612ST_52_10x10.pdf, ComponentLink4Description="Product URL", ComponentLink4URL=http://www.analog.com/en/digital-to-analog-converters/da-converters/ad5391/products/product.html, ComponentLink5Description="Reference Design URL", ComponentLink5URL=http://www.analog.com/en/digital-to-analog-converters/da-converters/ad5391/products/product.html#prod_cross_sell, DatasheetVersion="Rev. D", Max V+=5.5V, Mounting Technology="Surface Mount", PackageDescription="52-Lead Low Profile Quad Flat Package [LQFP]", PackageReference=ST-52, PackageVersion=2003, Packing=Tray, PartNumber=AD5391BSTZ-3, Resolution (Bits)=12, RevisionNote="Component URL fixed", RoHS=Y, Settling Time=6Âµs, Single Supply=Yes
U4 U5 U8 U9 U10 U11 U12 U13 U15 U16 U17 U18 U20 U21 U22 U23: library part CMP-04895-000287-1, "IC CURR SENSE 1 CIRCUIT SOT23-5", Case/Package=SOT-23-5, Input Bias Current=100nA, Input Offset Voltage (Vos)=100uV, Max Operating Temperature=125°C, Min Operating Temperature=-40°C, Operating Supply Current=260uA, -3db Bandwidth=350kHz, Mount="Surface Mount", Number of Circuits=1, Packaging="Tape and Reel", RoHS Compliant=Yes, Slew Rate=2V/µs
U6: library part CMP-12756-000035-1, "IC REG LINEAR 3.3V 600MA SOT25", Case/Package=SOT-23-5, Dropout Voltage=250mV, Max Input Voltage=6V, Max Operating Temperature=85°C, Max Output current=600mA, Min Input Voltage=2.5V, Min Operating Temperature=-40°C, Output Voltage=3.3V, Package Quantity=1, Quiescent Current=55uA, Accuracy=1.5%, Height=1.3mm, Lead Free="Lead Free", Length=3.1mm, Mount="Surface Mount", Number of Outputs=1, Number of Pins=5, Number of Regulators=1, Output Current=600mA, Output Type=Fixed, Packaging="Tape and Reel", Polarity=Positive, Width=1.7mm
U7: "IC REG BUCK 5V 2A TSOT23-6", Manufacturer=Diodes, Max Operating Temperature=85°C, Max Supply Voltage=32V, Min Operating Temperature=-40°C, Min Supply Voltage=3.8V, Nominal Supply Current=22uA, Output Current=2A, Output Voltage=5V, Supplier Part Number=AP63205WU-7DICT-ND, Switching Frequency=1.1MHz, Category="Voltage Regulators - Switching", ComponentLink1Description=https://www.diodes.com/assets/Datasheets/AP63200-AP63201-AP63203-AP63205.pdf?src-supplier=Digikey, ComponentLink1URL=https://www.diodes.com/assets/Datasheets/AP63200-AP63201-AP63203-AP63205.pdf?src-supplier=Digikey, Height=1mm, Manufacturer Part Number=AP63205WU-7, Max Duty Cycle=100%, Number of Outputs=1, Pricing="1=0,71, 10=0,506, 25=0,4548, 100=0,398, 250=0,37088, 500=0,35456, 1000=0,34112 (USD)", RoHS=Yes, Stock=6143, Supplier=Digikey, Supplier 1=Digikey, Supplier 2=Mouser, Supplier Part Number 1=AP63205WU-7DICT-ND, Supplier Part Number 2=621-AP63205WU-7

## Free pads (board coordinates)
  round 6.2 hole 2.75 unplated: 0(3.5,3.5) 0(3.5,52.5) 0(61.5,3.5) 0(61.5,52.5)

## Via types
v1: diameter 0.5, hole 0.3, Top Layer to Bottom Layer, 236 vias
v2: diameter 0.4, hole 0.2, Top Layer to Bottom Layer, 3 vias
v3: diameter 0.4, hole 0.25, Top Layer to Bottom Layer, 2 vias

## Nets (pads, with @x,y where several pads share a name; then routed paths per layer and width w, separated by ;. In a path a pad name is that pad's centre, name@x,y a point inside that pad or via, vN(x,y) a via of type N, cw(c..) or ccw(c..) an arc to the next point about the centre after c; other vN are vias at no path point)
+3.3V_Analog: C6.2 C42.1 C43.2 FB1.2 U2.8 U2.32 | length 102.4
  Top Layer w0.2: v1(9.561,23.561) 10.525,22.596 12.277,22.596 12.87,22.002 12.87,20.017 13.356,19.531 15.815,19.531 16.398,18.948 16.398,16.244 16.665,15.977 18.381,15.977 18.915,15.444 18.915,11.929 19.494,11.35 25.506,11.35 25.727,11.571 25.727,12.602 v1(26.2,13.075) ; v1(13.55,38.84) 14.224,38.84 14.314,38.93 14.921,38.93 15.241,38.611 15.241,36.082 15.052,35.893 15.052,32.802 v1(14.45,32.2) 14.403,32.153 14.403,31.838 14.05,31.485 U2.32@14.05,30.5 ; v1(13.8,28.378) 15.578,28.378 C42.1@15.7,28.5 ; U2.8@14.05,41.7 14.05,42.675 v1(12.825,43.9) C43.2@15.15,43.9 ; C6.2@30.5,12.001 31.229,12.001 31.346,11.884 31.346,10.37 31.229,10.252 31.229,10.247 30.866,9.884 30.866,9.013 30.428,8.575 29.547,8.575 28.8,9.322 28.8,9.624 28.624,9.8 27.176,9.8 27,9.624 27,7.743 27.443,7.3 29.111,7.3 29.461,7.65 31.147,7.65 31.297,7.5 31.753,7.5 32.085,7.832 32.085,9.977 32.419,10.311 v1(32.419,13.25) ; FB1.2@36.576,10.1 36.576,13.162 v1(37.75,14.335)
  Bottom Layer w0.2: v1(9.561,23.561) 10.121,23 10.5,23 13.8,26.3 13.8,30.026 14.6,30.826 14.6,31.405 14.45,31.555 v1(14.45,32.2) ; v1(12.825,43.9) 12.825,42.163 14.019,40.969 14.019,39.31 v1(13.55,38.84) ; v1(26.2,13.075) 27.472,13.075 27.978,13.581 31.919,13.581 ; v1(32.419,13.25) 32.338,13.25 32.123,13.464 32.036,13.464 31.919,13.581 ; v1(37.75,14.335) 32.673,14.335 31.919,13.581
+3.3V_Ext: C7.2 C44.2 C45.2 C46.2 C47.1 FB1.1 U2.41 U2.42 U2.44 U2.45 U2.47 U6.5 | length 69.4
  Top Layer w0.2: U2.47@20.3,36.75 20.262,36.712 19.003,36.712 18.54,36.249 18.54,35.747 18.838,35.45 U2.45@20.3,35.45 ; U2.41@20.838,32.941 20.747,32.85 U2.41@20.3,32.85 U2.42@20.3,33.5 19.747,33.5 19.649,33.598 19.571,33.598 19.248,33.921 19.248,34.379 19.632,34.762 20.247,34.762 20.3,34.709 U2.45@20.3,35.45 ; 21.045,34.762 20.338,34.762 U2.44@20.3,34.8 U2.45@20.3,35.45 ; C46.2@22,42.15 22.181,42.331 22.225,42.375 22.66,42.375 22.685,42.4 23.705,42.4 24.231,41.874 24.231,40.306 22.225,38.3 C45.2@22.2,38.3 22.425,38.075 22.813,38.075 23.204,37.684 23.204,36.125 23.081,36.002 22.631,35.552 C47.1@22.5,35.552 22.398,35.45 U2.45@20.3,35.45 ; C44.2@22.2,31.25 22.425,31.025 22.99,31.025 23.349,30.666 v1(23.416,30.666) ; C44.2@22.425,31.271 22.425,31.396 22.45,31.421 23.064,31.421 23.562,31.919 23.857,32.214 23.857,33.786 23.562,34.081 23.388,34.081 22.975,34.494 22.975,35.482 C47.1@22.932,35.525 ; v1(31.125,19.5) 32.435,19.5 33.173,18.762 33.862,18.762 34.655,17.969 34.655,17.95 U6.5@35.201,17.95 37.45,17.95 C7.2@37.699,17.701 ; FB1.1@35.024,10.1 35.121,10.1 35.4,9.821 35.4,9.234 35.693,8.941 37.285,8.941 38.633,10.289 38.633,13.946 38.65,13.963 38.65,14.708 38.633,14.725 38.633,17.23 38.34,17.523 37.879,17.523 C7.2@37.7,17.701
  Bottom Layer w0.2: v1(23.416,30.666) 24.229,30.666 24.488,30.925 26.133,30.925 26.149,30.909 26.605,30.909 26.621,30.925 29.1,30.925 30.075,29.95 30.075,28.005 30.2,27.88 30.2,25.69 30.075,25.565 30.075,24.693 30.4,24.368 30.4,20.306 31.125,19.581 v1(31.125,19.5)